# KiCad board relay_panel_2x2.kicad_pcb (continued)
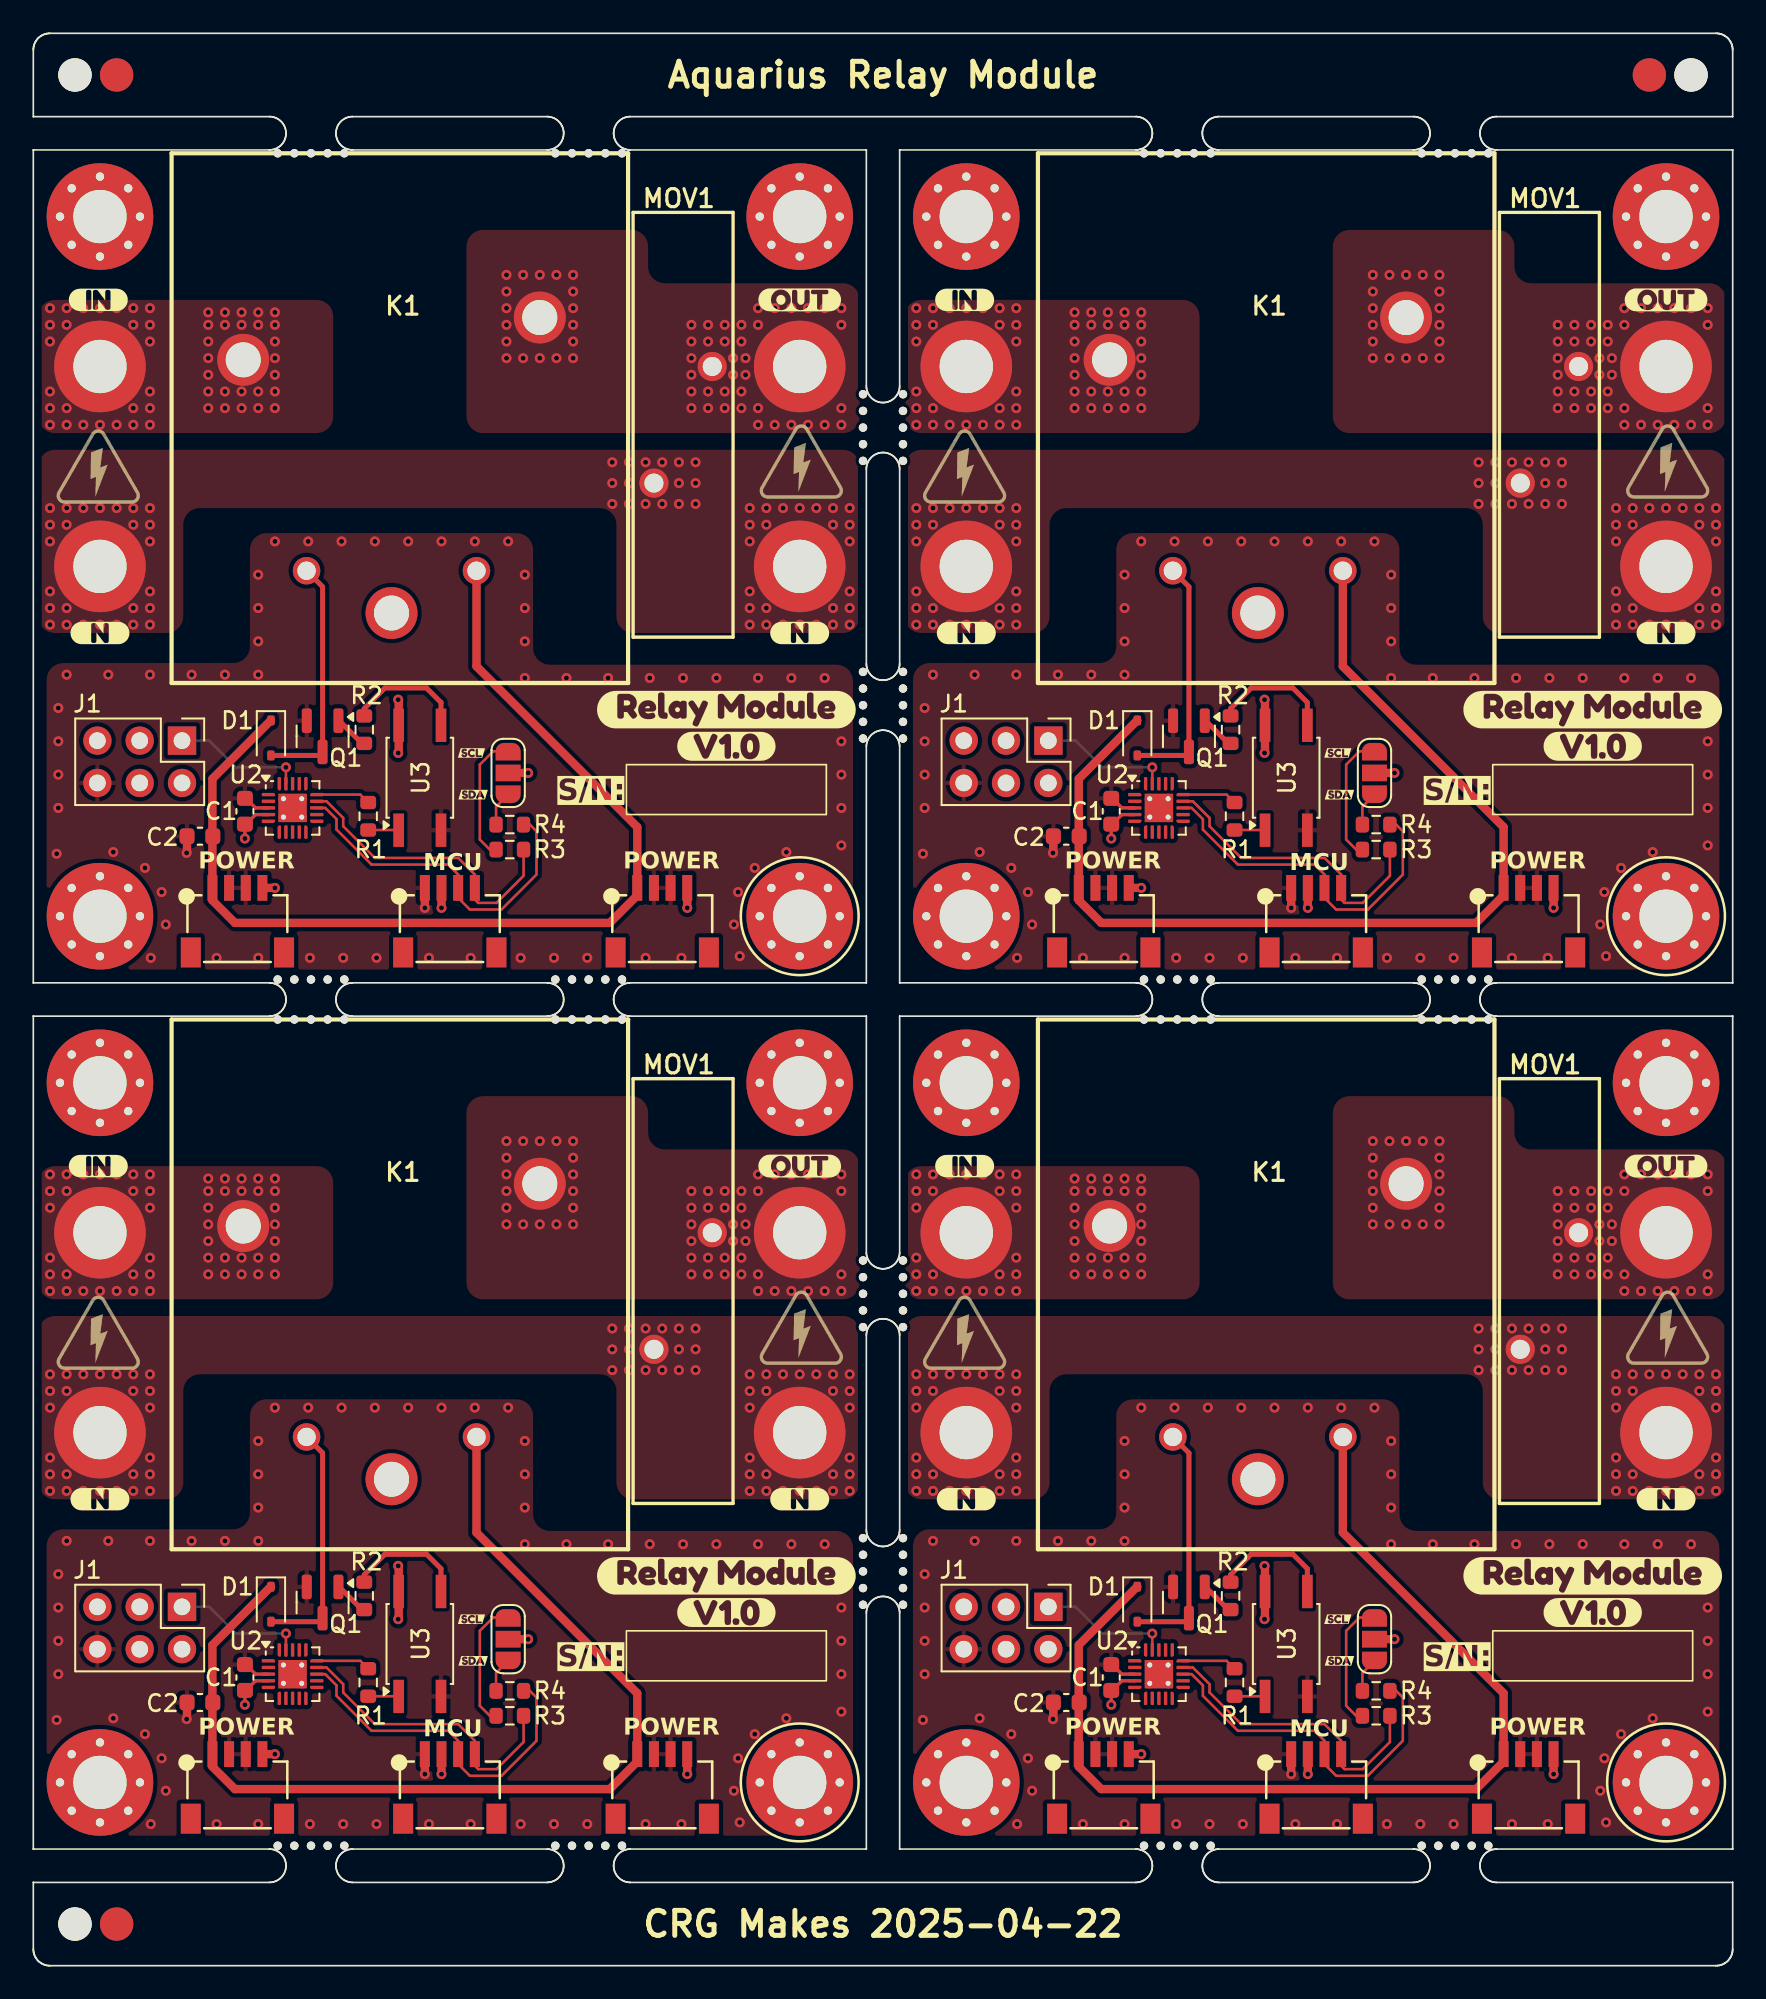
[diagram p0: board, top side]
## Library data of the parts
C1 C1#2-C1#4 C2 C2#2-C2#4 = -: Description: Unpolarized capacitor; MN: Samsung
D1 D1#2-D1#4 = -: Datasheet: www.st.com/resource/en/datasheet/bat48.pdf; Description: 40V 0.35A Small Signal Schottky Diode, SOD-323
H1 H1#2-H1#4 H2 H2#2-H2#4 H3 H3#2-H3#4 H4 H4#2-H4#4 = -: Description: Mounting Hole without connection
J1 J1#2-J1#4 = -: Datasheet: https://www.microchip.com/webdoc/GUID-9D10622A-5C16-4405-B092-1BDD437B4976/index.html?GUID-9B349315-2842-4189-B88C-49F4E1055D7F; Description: Atmel 6-pin UPDI connector
J2 J2#2-J2#4 = -: Description: SparkFun I2C Standard Qwiic Connector An SMD 1mm pitch JST connector makes it easy and quick (get it? Qwiic?) to connect I2C devices to each other. The Qwiic system enables fast and solderless connection between popular platforms and various sensors and actuators. / We carry 200mm, 100mm, 50mm, and breadboard friendly Qwiic cables. We also offer 10 pcs strips the SMD connectors.; MN: JST; MPN: SM04B-SRSS-TB; LCSC: C2763614
J3 J3#2-J3#4 J4 J4#2-J4#4 = -: Description: JST SH 1.0mm 4 Position; MN: JST; MPN: SM04B-SRSS-TB; LCSC: C2763614
JP1 JP1#2-JP1#4 = -: Description: Jumper, 3-pole, both open
K1 K1#2-K1#4 = -: Datasheet: https://www.mouser.com/datasheet/2/1628/pr24-3510756.pdf; Description: Power relay, 40A, Normally Open / https://www.mouser.com/ProductDetail/179-PR24-5V-900-1A / https://jlcpcb.com/partdetail/Cui-PR24_5V_9001A/C7029760; MN: Same Sky; LCSC: C7029760
LOGO5 LOGO5#2-LOGO5#4 = -: Description: Open Hardware logo, small
MOV1 MOV1#2-MOV1#4 = -: Datasheet: https://wmsc.lcsc.com/wmsc/upload/file/pdf/v2/lcsc/2304140030_Littelfuse-V250LA40BP_C1527448.pdf; Description: Metal Oxide Varistor / MOV-20D331K https://jlcpcb.com/partdetail/Bourns-MOV20D331K/C1528488; MN: Littlefuse; LCSC: C1527448
P1 P1#2-P1#4 P2 P2#2-P2#4 P3 P3#2-P3#4 P4 P4#2-P4#4 = -: Description: Mounting Hole with connection
Q1 Q1#2-Q1#4 = -: Datasheet: https://www.onsemi.com/pdf/datasheet/pzt3904-d.pdf; Description: 0.2A Ic, 40V Vce, Small Signal NPN Transistor, SOT-23; LCSC: C909754
R1 R1#2-R1#4 R2 R2#2-R2#4 R3 R3#2-R3#4 R4 R4#2-R4#4 = -: Description: Resistor, US symbol
U2 U2#2-U2#4 = -: Datasheet: http://ww1.microchip.com/downloads/en/DeviceDoc/ATtiny3216_ATtiny1616-data-sheet-40001997B.pdf; Description: 20MHz, 16kB Flash, 2kB SRAM, 256B EEPROM, VQFN-20
U3 U3#2-U3#4 = -: Datasheet: http://optoelectronics.liteon.com/upload/download/DS70-2001-010/S_110_LTV-356T%2020140520.pdf; Description: DC Optocoupler, Vce 80V, CTR 50%, SO-4

## Footprints (pads in the part's own frame, mm; a bottom-side part is the same pattern mirrored in y, then rotated)
C_0603_1608Metric
  rrect 0.9x0.95 smd: 1(-0.775,0) 2(0.775,0)
D_SOD-323
  rrect 0.6x0.45 smd: 1(-1.05,0) 2(1.05,0)
Fiducial
  round 2 smd: (0,0)
MountingHole_3.2mm_M3_ISO14580_Pad
  round 5.5 hole 3.2: 1(0,0)
MountingHole_3.2mm_M3_Pad_Via
  round 0.8 hole 0.5: 1(-2.4,0) 1(-1.697,1.697) 1(-1.697,-1.697) 1(0,2.4) 1(0,-2.4) 1(1.697,1.697) 1(1.697,-1.697) 1(2.4,0)
  round 6.4 hole 3.2: 1(0,0)
NPTH
  round 0.5 hole 0.5 unplated: (0,0)
NPTH#2
  round 2 hole 2 unplated: (0,0)
PinHeader_2x03_P2.54mm_Vertical
  rect 1.7x1.7 hole 1: 1(0,0)
  oval 1.7x1.7 hole 1: 2(2.54,0) 3(0,-2.54) 4(2.54,-2.54) 5(0,-5.08) 6(2.54,-5.08)
R_0603_1608Metric
  rrect 0.8x0.95 smd: 1(-0.825,0) 2(0.825,0)
RELAY_PR24-5V-900-1A
  round 1.65 hole 1.1: A1(4.6,-9.16) A2(-5.6,-9.16)
  round 3.116 hole 2.1: COM_1(-9.4,3.5) COM_2(-0.5,-11.7) NO(8.4,6.04)
SM04B-SRSS-TB
  rect 1.2x1.8 smd: 0(2.8,3.875) 5(-2.8,3.875)
  rect 0.6x1.55 smd: 1(1.5,0) 2(0.5,0) 3(-0.5,0) 4(-1.5,0)
SO-4_4.4x3.6mm_P2.54mm
  rect 2x0.64 smd: 1(-3.15,1.27) 2(-3.15,-1.27) 3(3.15,-1.27) 4(3.15,1.27)
SolderJumper-3_P1.3mm_Open_RoundedPad1.0x1.5mm_NumberLabels
  custom 1.05x1.5 smd: 1(-1.3,0) 3(1.3,0)
  rect 1x1.5 smd: 2(0,0)
SOT-23
  rrect 1.475x0.6 smd: 1(-0.938,0.95) 2(-0.938,-0.95) 3(0.938,0)
V250LA40BP
  round 1.75 hole 1.143: P$1(1.75,3.5) P$2(-1.75,-3.5)
VQFN-20-1EP_3x3mm_P0.4mm_EP1.7x1.7mm_ThermalVias
  rrect 0.74x0.74 smd: (-0.425,0.425) (-0.425,-0.425) (0.425,0.425) (0.425,-0.425)
  custom 0.8x0.2 smd: 1(-1.45,0.8) 5(-1.45,-0.8) 11(1.45,-0.8) 15(1.45,0.8)
  rrect 0.8x0.2 smd: 2(-1.45,0.4) 3(-1.45,0) 4(-1.45,-0.4) 12(1.45,-0.4) 13(1.45,0) 14(1.45,0.4)
  custom 0.2x0.8 smd: 6(-0.8,-1.45) 10(0.8,-1.45) 16(0.8,1.45) 20(-0.8,1.45)
  rrect 0.2x0.8 smd: 7(-0.4,-1.45) 8(0,-1.45) 9(0.4,-1.45) 17(0.4,1.45) 18(0,1.45) 19(-0.4,1.45)
  round 0.6 hole 0.3: 21(-0.55,0.55) 21(-0.55,-0.55) 21(0.55,0.55) 21(0.55,-0.55)
  rect 1.7x1.7 smd: 21(0,0)
  rect 1.7x1.7 smd far side: 21(0,0)

## Nets
Board_0-+3.3V: C1#2.1 J1#2.2 J2#2.2 J3#4.4 J4#4.4 JP1#2.2 U2#4.4 U3#4.4
Board_0-+5V: C2#3.1 D1#4.1 J3#4.1 J4#4.1 K1#3.A1
Board_0-/LOAD_IN: K1#3.COM_1 P3#4.1
Board_0-/LOAD_OUT: K1#3.NO MOV1.P$1 P4#4.1
Board_0-/NEUTRAL: MOV1.P$2 P1#4.1 P2.1
Board_0-/RELAY_CONTROL: D1#4.2 K1#3.A2 Q1#3.3
Board_0-/SCL: J2#2.4 R3#2.1 U2#4.14
Board_0-/SDA: J2#2.3 R4#2.1 U2#4.13
Board_0-GND: C1#2.2 C2#3.2 J1#2.6 J2#2.1 J3#4.2 J3#4.3 J4#4.2 J4#4.3 Q1#3.2 U2#4.3 U2#4.21 U3#4.2
Board_0-Net-(JP1-A): JP1#2.1 R3#2.2
Board_0-Net-(JP1-B): JP1#2.3 R4#2.2
Board_0-Net-(Q1-B): Q1#3.1 R2#4.2
Board_0-Net-(R1-Pad2): R1.2 U3#4.1
Board_0-Net-(R2-Pad1): R2#4.1 U3#4.3
Board_0-RELAY_CTRL: R1.1 U2#4.15
Board_0-unconnected-(J1-NC-Pad3): J1#2.3
Board_0-unconnected-(J1-NC-Pad4): J1#2.4
Board_0-unconnected-(J1-NC-Pad5): J1#2.5
Board_0-unconnected-(K1-COM2-PadCOM_2): K1#3.COM_2
Board_0-unconnected-(U2-PA1-Pad20): U2#4.20
Board_0-unconnected-(U2-PA2-Pad1): U2#4.1
Board_0-unconnected-(U2-PA3-Pad2): U2#4.2
Board_0-unconnected-(U2-PA4-Pad5): U2#4.5
Board_0-unconnected-(U2-PA5-Pad6): U2#4.6
Board_0-unconnected-(U2-PA6-Pad7): U2#4.7
Board_0-unconnected-(U2-PA7-Pad8): U2#4.8
Board_0-unconnected-(U2-PB2-Pad12): U2#4.12
Board_0-unconnected-(U2-PB3-Pad11): U2#4.11
Board_0-unconnected-(U2-PB4-Pad10): U2#4.10
Board_0-unconnected-(U2-PB5-Pad9): U2#4.9
Board_0-unconnected-(U2-PC1-Pad16): U2#4.16
Board_0-unconnected-(U2-PC2-Pad17): U2#4.17
Board_0-unconnected-(U2-PC3-Pad18): U2#4.18
Board_0-UPDI: J1#2.1 U2#4.19
Board_1-+3.3V: C1.1 J1#4.2 J2.2 J3.4 J4.4 JP1#3.2 U2#3.4 U3#2.4
Board_1-+5V: C2#2.1 D1#2.1 J3.1 J4.1 K1#2.A1
Board_1-/LOAD_IN: K1#2.COM_1 P3#2.1
Board_1-/LOAD_OUT: K1#2.NO MOV1#2.P$1 P4.1
Board_1-/NEUTRAL: MOV1#2.P$2 P1#3.1 P2#2.1
Board_1-/RELAY_CONTROL: D1#2.2 K1#2.A2 Q1#4.3
Board_1-/SCL: J2.4 R3.1 U2#3.14
Board_1-/SDA: J2.3 R4#4.1 U2#3.13
Board_1-GND: C1.2 C2#2.2 J1#4.6 J2.1 J3.2 J3.3 J4.2 J4.3 Q1#4.2 U2#3.3 U2#3.21 U3#2.2
Board_1-Net-(JP1-A): JP1#3.1 R3.2
Board_1-Net-(JP1-B): JP1#3.3 R4#4.2
Board_1-Net-(Q1-B): Q1#4.1 R2#3.2
Board_1-Net-(R1-Pad2): R1#2.2 U3#2.1
Board_1-Net-(R2-Pad1): R2#3.1 U3#2.3
Board_1-RELAY_CTRL: R1#2.1 U2#3.15
Board_1-unconnected-(J1-NC-Pad3): J1#4.3
Board_1-unconnected-(J1-NC-Pad4): J1#4.4
Board_1-unconnected-(J1-NC-Pad5): J1#4.5
Board_1-unconnected-(K1-COM2-PadCOM_2): K1#2.COM_2
Board_1-unconnected-(U2-PA1-Pad20): U2#3.20
Board_1-unconnected-(U2-PA2-Pad1): U2#3.1
Board_1-unconnected-(U2-PA3-Pad2): U2#3.2
Board_1-unconnected-(U2-PA4-Pad5): U2#3.5
Board_1-unconnected-(U2-PA5-Pad6): U2#3.6
Board_1-unconnected-(U2-PA6-Pad7): U2#3.7
Board_1-unconnected-(U2-PA7-Pad8): U2#3.8
Board_1-unconnected-(U2-PB2-Pad12): U2#3.12
Board_1-unconnected-(U2-PB3-Pad11): U2#3.11
Board_1-unconnected-(U2-PB4-Pad10): U2#3.10
Board_1-unconnected-(U2-PB5-Pad9): U2#3.9
Board_1-unconnected-(U2-PC1-Pad16): U2#3.16
Board_1-unconnected-(U2-PC2-Pad17): U2#3.17
Board_1-unconnected-(U2-PC3-Pad18): U2#3.18
Board_1-UPDI: J1#4.1 U2#3.19
Board_2-+3.3V: C1#3.1 J1.2 J2#3.2 J3#2.4 J4#3.4 JP1.2 U2.4 U3.4
Board_2-+5V: C2#4.1 D1#3.1 J3#2.1 J4#3.1 K1#4.A1
Board_2-/LOAD_IN: K1#4.COM_1 P3#3.1
Board_2-/LOAD_OUT: K1#4.NO MOV1#3.P$1 P4#2.1
Board_2-/NEUTRAL: MOV1#3.P$2 P1#2.1 P2#4.1
Board_2-/RELAY_CONTROL: D1#3.2 K1#4.A2 Q1#2.3
Board_2-/SCL: J2#3.4 R3#4.1 U2.14
Board_2-/SDA: J2#3.3 R4#3.1 U2.13
Board_2-GND: C1#3.2 C2#4.2 J1.6 J2#3.1 J3#2.2 J3#2.3 J4#3.2 J4#3.3 Q1#2.2 U2.3 U2.21 U3.2
Board_2-Net-(JP1-A): JP1.1 R3#4.2
Board_2-Net-(JP1-B): JP1.3 R4#3.2
Board_2-Net-(Q1-B): Q1#2.1 R2.2
Board_2-Net-(R1-Pad2): R1#3.2 U3.1
Board_2-Net-(R2-Pad1): R2.1 U3.3
Board_2-RELAY_CTRL: R1#3.1 U2.15
Board_2-unconnected-(J1-NC-Pad3): J1.3
Board_2-unconnected-(J1-NC-Pad4): J1.4
Board_2-unconnected-(J1-NC-Pad5): J1.5
Board_2-unconnected-(K1-COM2-PadCOM_2): K1#4.COM_2
Board_2-unconnected-(U2-PA1-Pad20): U2.20
Board_2-unconnected-(U2-PA2-Pad1): U2.1
Board_2-unconnected-(U2-PA3-Pad2): U2.2
Board_2-unconnected-(U2-PA4-Pad5): U2.5
Board_2-unconnected-(U2-PA5-Pad6): U2.6
Board_2-unconnected-(U2-PA6-Pad7): U2.7
Board_2-unconnected-(U2-PA7-Pad8): U2.8
Board_2-unconnected-(U2-PB2-Pad12): U2.12
Board_2-unconnected-(U2-PB3-Pad11): U2.11
Board_2-unconnected-(U2-PB4-Pad10): U2.10
Board_2-unconnected-(U2-PB5-Pad9): U2.9
Board_2-unconnected-(U2-PC1-Pad16): U2.16
Board_2-unconnected-(U2-PC2-Pad17): U2.17
Board_2-unconnected-(U2-PC3-Pad18): U2.18
Board_2-UPDI: J1.1 U2.19
Board_3-+3.3V: C1#4.1 J1#3.2 J2#4.2 J3#3.4 J4#2.4 JP1#4.2 U2#2.4 U3#3.4
Board_3-+5V: C2.1 D1.1 J3#3.1 J4#2.1 K1.A1
Board_3-/LOAD_IN: K1.COM_1 P3.1
Board_3-/LOAD_OUT: K1.NO MOV1#4.P$1 P4#3.1
Board_3-/NEUTRAL: MOV1#4.P$2 P1.1 P2#3.1
Board_3-/RELAY_CONTROL: D1.2 K1.A2 Q1.3
Board_3-/SCL: J2#4.4 R3#3.1 U2#2.14
Board_3-/SDA: J2#4.3 R4.1 U2#2.13
Board_3-GND: C1#4.2 C2.2 J1#3.6 J2#4.1 J3#3.2 J3#3.3 J4#2.2 J4#2.3 Q1.2 U2#2.3 U2#2.21 U3#3.2
Board_3-Net-(JP1-A): JP1#4.1 R3#3.2
Board_3-Net-(JP1-B): JP1#4.3 R4.2
Board_3-Net-(Q1-B): Q1.1 R2#2.2
Board_3-Net-(R1-Pad2): R1#4.2 U3#3.1
Board_3-Net-(R2-Pad1): R2#2.1 U3#3.3
Board_3-RELAY_CTRL: R1#4.1 U2#2.15
Board_3-unconnected-(J1-NC-Pad3): J1#3.3
Board_3-unconnected-(J1-NC-Pad4): J1#3.4
Board_3-unconnected-(J1-NC-Pad5): J1#3.5
Board_3-unconnected-(K1-COM2-PadCOM_2): K1.COM_2
Board_3-unconnected-(U2-PA1-Pad20): U2#2.20
Board_3-unconnected-(U2-PA2-Pad1): U2#2.1
Board_3-unconnected-(U2-PA3-Pad2): U2#2.2
Board_3-unconnected-(U2-PA4-Pad5): U2#2.5
Board_3-unconnected-(U2-PA5-Pad6): U2#2.6
Board_3-unconnected-(U2-PA6-Pad7): U2#2.7
Board_3-unconnected-(U2-PA7-Pad8): U2#2.8
Board_3-unconnected-(U2-PB2-Pad12): U2#2.12
Board_3-unconnected-(U2-PB3-Pad11): U2#2.11
Board_3-unconnected-(U2-PB4-Pad10): U2#2.10
Board_3-unconnected-(U2-PB5-Pad9): U2#2.9
Board_3-unconnected-(U2-PC1-Pad16): U2#2.16
Board_3-unconnected-(U2-PC2-Pad17): U2#2.17
Board_3-unconnected-(U2-PC3-Pad18): U2#2.18
Board_3-UPDI: J1#3.1 U2#2.19

Pads without a net: H1 1; H1#2 1; H1#3 1; H1#4 1; H2 1; H2#2 1; H2#3 1; H2#4 1; H3 1; H3#2 1; H3#3 1; H3#4 1; H4 1; H4#2 1; H4#3 1; H4#4 1; J2 0 5; J2#2 0 5; J2#3 0 5; J2#4 0 5; J3 0 5; J3#2 0 5; J3#3 0 5; J3#4 0 5; J4 0 5; J4#2 0 5; J4#3 0 5; J4#4 0 5

## Via types
v1: diameter 0.6, hole 0.3, Top to Bottom, 988 vias

## Routing (per net, layer and track width the routed paths; a pad name or vN(x,y) marks a point on that pad's centre or on a via; arc(x,y) is an arc through that point)
Board_0-+3.3V: length 10.2
  Top w0.2: U2#4.4 13.34,69.1 12.76,68.53 C1#2.1 v1(12.7,67.66)
  Top w0.5: v1(39.25,63.5) 39.25,64.75 ; v1(21.9,72.8) 21.93,72.83 U3#4.4 21.93,75.97 v1(21.9,76) ; JP1#2.2 v1(29.7,71.6) ; 13.75,64.75 13.8,64.7 v1(14.5,64.7) ; 24.5,64.75 v1(24.5,63.5)
Board_0-+5V: length 62.5
  Top w0.5: K1#3.A1 26.6,78 36.25,68.35 36.25,64.25 34.6,62.6 12.1,62.6 10.75,63.95 10.75,71.25 14.25,74.75 D1#4.1
Board_0-/LOAD_IN:
  vias: v1(1,99.5) v1(1,98.5) v1(1,97.5) v1(1,94.5) v1(1,93.5) v1(1,92.5) v1(2,99.5) v1(2,98.5) v1(2,93.5) v1(2,92.5) v1(3,99.5) v1(3,92.5) v1(4,99.5) v1(4,92.5) v1(5,99.5) v1(5,92.5) v1(6,99.5) v1(6,98.5) v1(6,93.5) v1(6,92.5) v1(7,99.5) v1(7,98.5) v1(7,97.5) v1(7,94.5) v1(7,93.5) v1(7,92.5) v1(10.5,99.25) v1(10.5,98.5) v1(10.5,97.5) v1(10.5,96.5) v1(10.5,95.5) v1(10.5,94.5) v1(10.5,93.5) v1(11.5,99.25) v1(11.5,98.5) v1(11.5,94.5) v1(11.5,93.5) v1(12.5,99.25) v1(12.5,98.5) v1(12.5,94.5) v1(12.5,93.5) v1(13.5,99.25) v1(13.5,98.5) v1(13.5,94.5) v1(13.5,93.5) v1(14.5,99.25) v1(14.5,98.5) v1(14.5,97.5) v1(14.5,96.5) v1(14.5,95.5) v1(14.5,94.5) v1(14.5,93.5)
Board_0-/LOAD_OUT:
  vias: v1(28.4,101.5) v1(28.4,100.5) v1(28.4,99.5) v1(28.4,98.5) v1(28.4,97.5) v1(28.4,96.5) v1(29.4,101.5) v1(29.4,96.5) v1(30.4,101.5) v1(30.4,96.5) v1(31.4,101.5) v1(31.4,96.5) v1(32.4,101.5) v1(32.4,100.5) v1(32.4,99.5) v1(32.4,98.5) v1(32.4,97.5) v1(32.4,96.5) v1(39.5,98.5) v1(39.5,97.5) v1(39.5,96.5) v1(39.5,95.5) v1(39.5,94.5) v1(39.5,93.5) v1(40.5,98.5) v1(40.5,97.5) v1(40.5,94.5) v1(40.5,93.5) v1(41.5,98.5) v1(41.5,97.5) v1(41.5,94.5) v1(41.5,93.5) v1(42,96.5) v1(42,95.5) v1(42.5,98.5) v1(42.5,97.5) v1(42.5,94.5) v1(42.5,93.5) v1(42.75,96.5) v1(42.75,95.5) v1(43.5,99.5) v1(43.5,98.5) v1(43.5,93.5) v1(43.5,92.5) v1(44.5,99.5) v1(44.5,92.5) v1(45.5,99.5) v1(45.5,92.5) v1(46.5,99.5) v1(46.5,92.5) v1(47.5,99.5) v1(47.5,92.5) v1(48.5,99.5) v1(48.5,98.5) v1(48.5,93.5) v1(48.5,92.5)
Board_0-/NEUTRAL:
  vias: v1(1,87.5) v1(1,86.5) v1(1,85.5) v1(1,82.5) v1(1,81.5) v1(1,80.5) v1(2,87.5) v1(2,86.5) v1(2,81.5) v1(2,80.5) v1(3,87.5) v1(3,80.5) v1(4,87.5) v1(4,80.5) v1(5,87.5) v1(5,80.5) v1(6,87.5) v1(6,86.5) v1(6,81.5) v1(6,80.5) v1(7,87.5) v1(7,86.5) v1(7,85.5) v1(7,82.5) v1(7,81.5) v1(7,80.5) v1(34.75,90.25) v1(34.75,89) v1(34.75,87.75) v1(35.75,90.25) v1(35.75,89) v1(35.75,87.75) v1(36.75,90.25) v1(36.75,87.75) v1(37.75,90.25) v1(37.75,87.75) v1(38.75,90.25) v1(38.75,89) v1(38.75,87.75) v1(39.75,90.25) v1(39.75,89) v1(39.75,87.75) v1(43,87.5) v1(43,86.5) v1(43,85.5) v1(43,82.5) v1(43,81.5) v1(43,80.5) v1(44,87.5) v1(44,86.5) v1(44,81.5) v1(44,80.5) v1(45,87.5) v1(45,80.5) v1(46,87.5) v1(46,80.5) v1(47,87.5) v1(47,80.5) v1(48,87.5) v1(48,86.5) v1(48,81.5) v1(48,80.5) v1(49,87.5) v1(49,86.5) v1(49,85.5) v1(49,82.5) v1(49,81.5) v1(49,80.5)
Board_0-/RELAY_CONTROL: length 14.5
  Top w0.3: K1#3.A2 17.36,82.78 Q1#3.3 17.15,72.65 D1#4.2
Board_0-/SCL: length 18.4
  Top w0.152: R3#2.1 29.42,65.43 27.8,63.8 26.7,63.8 26.5,64 26.5,65.5 25.5,66.5 20.5,66.5 18.6,68.4 18.6,68.9 17.6,69.9 U2#4.14
Board_0-/SDA: length 21.3
  Top w0.152: R4#2.1 29.8,68.5 30.2,68.1 30.2,65.5 28.1,63.4 26.2,63.4 25.5,64.1 25.5,65.5 24.9,66.1 20.3,66.1 18.2,68.2 18.2,68.83 17.53,69.5 U2#4.13
Board_0-GND: length 4
  Top w0.2: C1#2.2 12.76,70.08 13.34,69.5 U2#4.3
  Top w0.5: C2#3.2 9.22,66.83 v1(9.2,66.8) ; 37.2,64.7 37.25,64.75 ; 23.5,64.75 v1(23.5,63.5)
  vias: v1(1.4,66.75) v1(1.5,75.5) v1(1.5,73.5) v1(1.5,71.5) v1(1.5,69.5) v1(2,77.5) v1(4.5,77.5) v1(4.8,66.85) v1(6.7,65.9) v1(7,77.5) v1(7.05,60.5) v1(7.7,64.45) v1(7.95,62.5) v1(9.5,77.5) v1(11,60.5) v1(11.5,77.5) v1(13.5,83.5) v1(13.5,81.5) v1(13.5,79.5) v1(13.5,77.5) v1(13.5,60.5) v1(14.5,85.5) v1(16.5,85.5) v1(16.6,60.5) v1(18.5,85.5) v1(18.6,60.5) v1(20.5,85.5) v1(20.6,60.5) v1(22.5,85.5) v1(23.75,60.5) v1(24.5,85.5) v1(26.25,60.5) v1(26.5,85.5) v1(28.5,85.5) v1(29.25,60.5) v1(29.5,83.5) v1(29.5,81.5) v1(29.5,79.5) v1(29.5,77.3) v1(31.25,60.5) v1(32,77.3) v1(33.25,60.5) v1(34.5,77.3) v1(36.75,60.5) v1(37,77.3) v1(38.9,60.5) v1(39,77.3) v1(41,77.3) v1(42.05,62.5) v1(42.3,64.45) v1(42.4,60.6) v1(43.3,65.9) v1(43.5,77.3) v1(45.2,66.85) v1(45.5,77.3) v1(47.5,77.3) v1(48.5,75.5) v1(48.5,73.5) v1(48.5,71.5) v1(48.5,69.5) v1(48.5,67.25)
Board_0-Net-(JP1-A): length 7.8
  Top w0.152: JP1#2.1 27.6,72.9 26.8,72.1 26.8,67.6 27.4,67 27.78,67
Board_0-Net-(JP1-B): length 2.1
  Top w0.152: 27.78,68.5 27.78,69.58 JP1#2.3
Board_0-Net-(Q1-B): length 2.1
  Top w0.152: Q1#3.1 18.36,74.74 ; 19.72,73.38 R2#4.2
  Top w0.3: 18.36,74.74 19.72,73.38
Board_0-Net-(R1-Pad2): length 1.8
  Top w0.152: R1.2 21.92,68.18 U3#4.1
Board_0-Net-(R2-Pad1): length 7.3
  Top w0.3: U3#4.3 24.47,75.83 23.6,76.7 21.1,76.7 19.86,75.46 R2#4.1
Board_0-RELAY_CTRL: length 3.3
  Top w0.152: R1.1 19.62,70.3 U2#4.15
Board_0-UPDI: length 7.9
  Top w0.152: v1(15.16,71.94) U2#4.19
  Bottom w0.152: v1(15.16,71.94) 15.16,71.94 12.16,71.94 10.56,73.54 J1#2.1
Board_1-+3.3V: length 10.2
  Top w0.2: v1(64.7,67.66) C1.1 64.76,68.53 65.34,69.1 U2#3.4
  Top w0.5: v1(66.5,64.7) 65.8,64.7 65.75,64.75 ; 76.5,64.75 v1(76.5,63.5) ; JP1#3.2 v1(81.7,71.6) ; v1(91.25,63.5) 91.25,64.75 ; v1(73.9,72.8) 73.93,72.83 U3#2.4 73.93,75.97 v1(73.9,76)
Board_1-+5V: length 62.5
  Top w0.5: D1#2.1 66.25,74.75 62.75,71.25 62.75,63.95 64.1,62.6 86.6,62.6 88.25,64.25 88.25,68.35 78.6,78 K1#2.A1
Board_1-/LOAD_IN:
  vias: v1(53,99.5) v1(53,98.5) v1(53,97.5) v1(53,94.5) v1(53,93.5) v1(53,92.5) v1(54,99.5) v1(54,98.5) v1(54,93.5) v1(54,92.5) v1(55,99.5) v1(55,92.5) v1(56,99.5) v1(56,92.5) v1(57,99.5) v1(57,92.5) v1(58,99.5) v1(58,98.5) v1(58,93.5) v1(58,92.5) v1(59,99.5) v1(59,98.5) v1(59,97.5) v1(59,94.5) v1(59,93.5) v1(59,92.5) v1(62.5,99.25) v1(62.5,98.5) v1(62.5,97.5) v1(62.5,96.5) v1(62.5,95.5) v1(62.5,94.5) v1(62.5,93.5) v1(63.5,99.25) v1(63.5,98.5) v1(63.5,94.5) v1(63.5,93.5) v1(64.5,99.25) v1(64.5,98.5) v1(64.5,94.5) v1(64.5,93.5) v1(65.5,99.25) v1(65.5,98.5) v1(65.5,94.5) v1(65.5,93.5) v1(66.5,99.25) v1(66.5,98.5) v1(66.5,97.5) v1(66.5,96.5) v1(66.5,95.5) v1(66.5,94.5) v1(66.5,93.5)